# KiCad board ciaa_acc.kicad_pcb (continued)
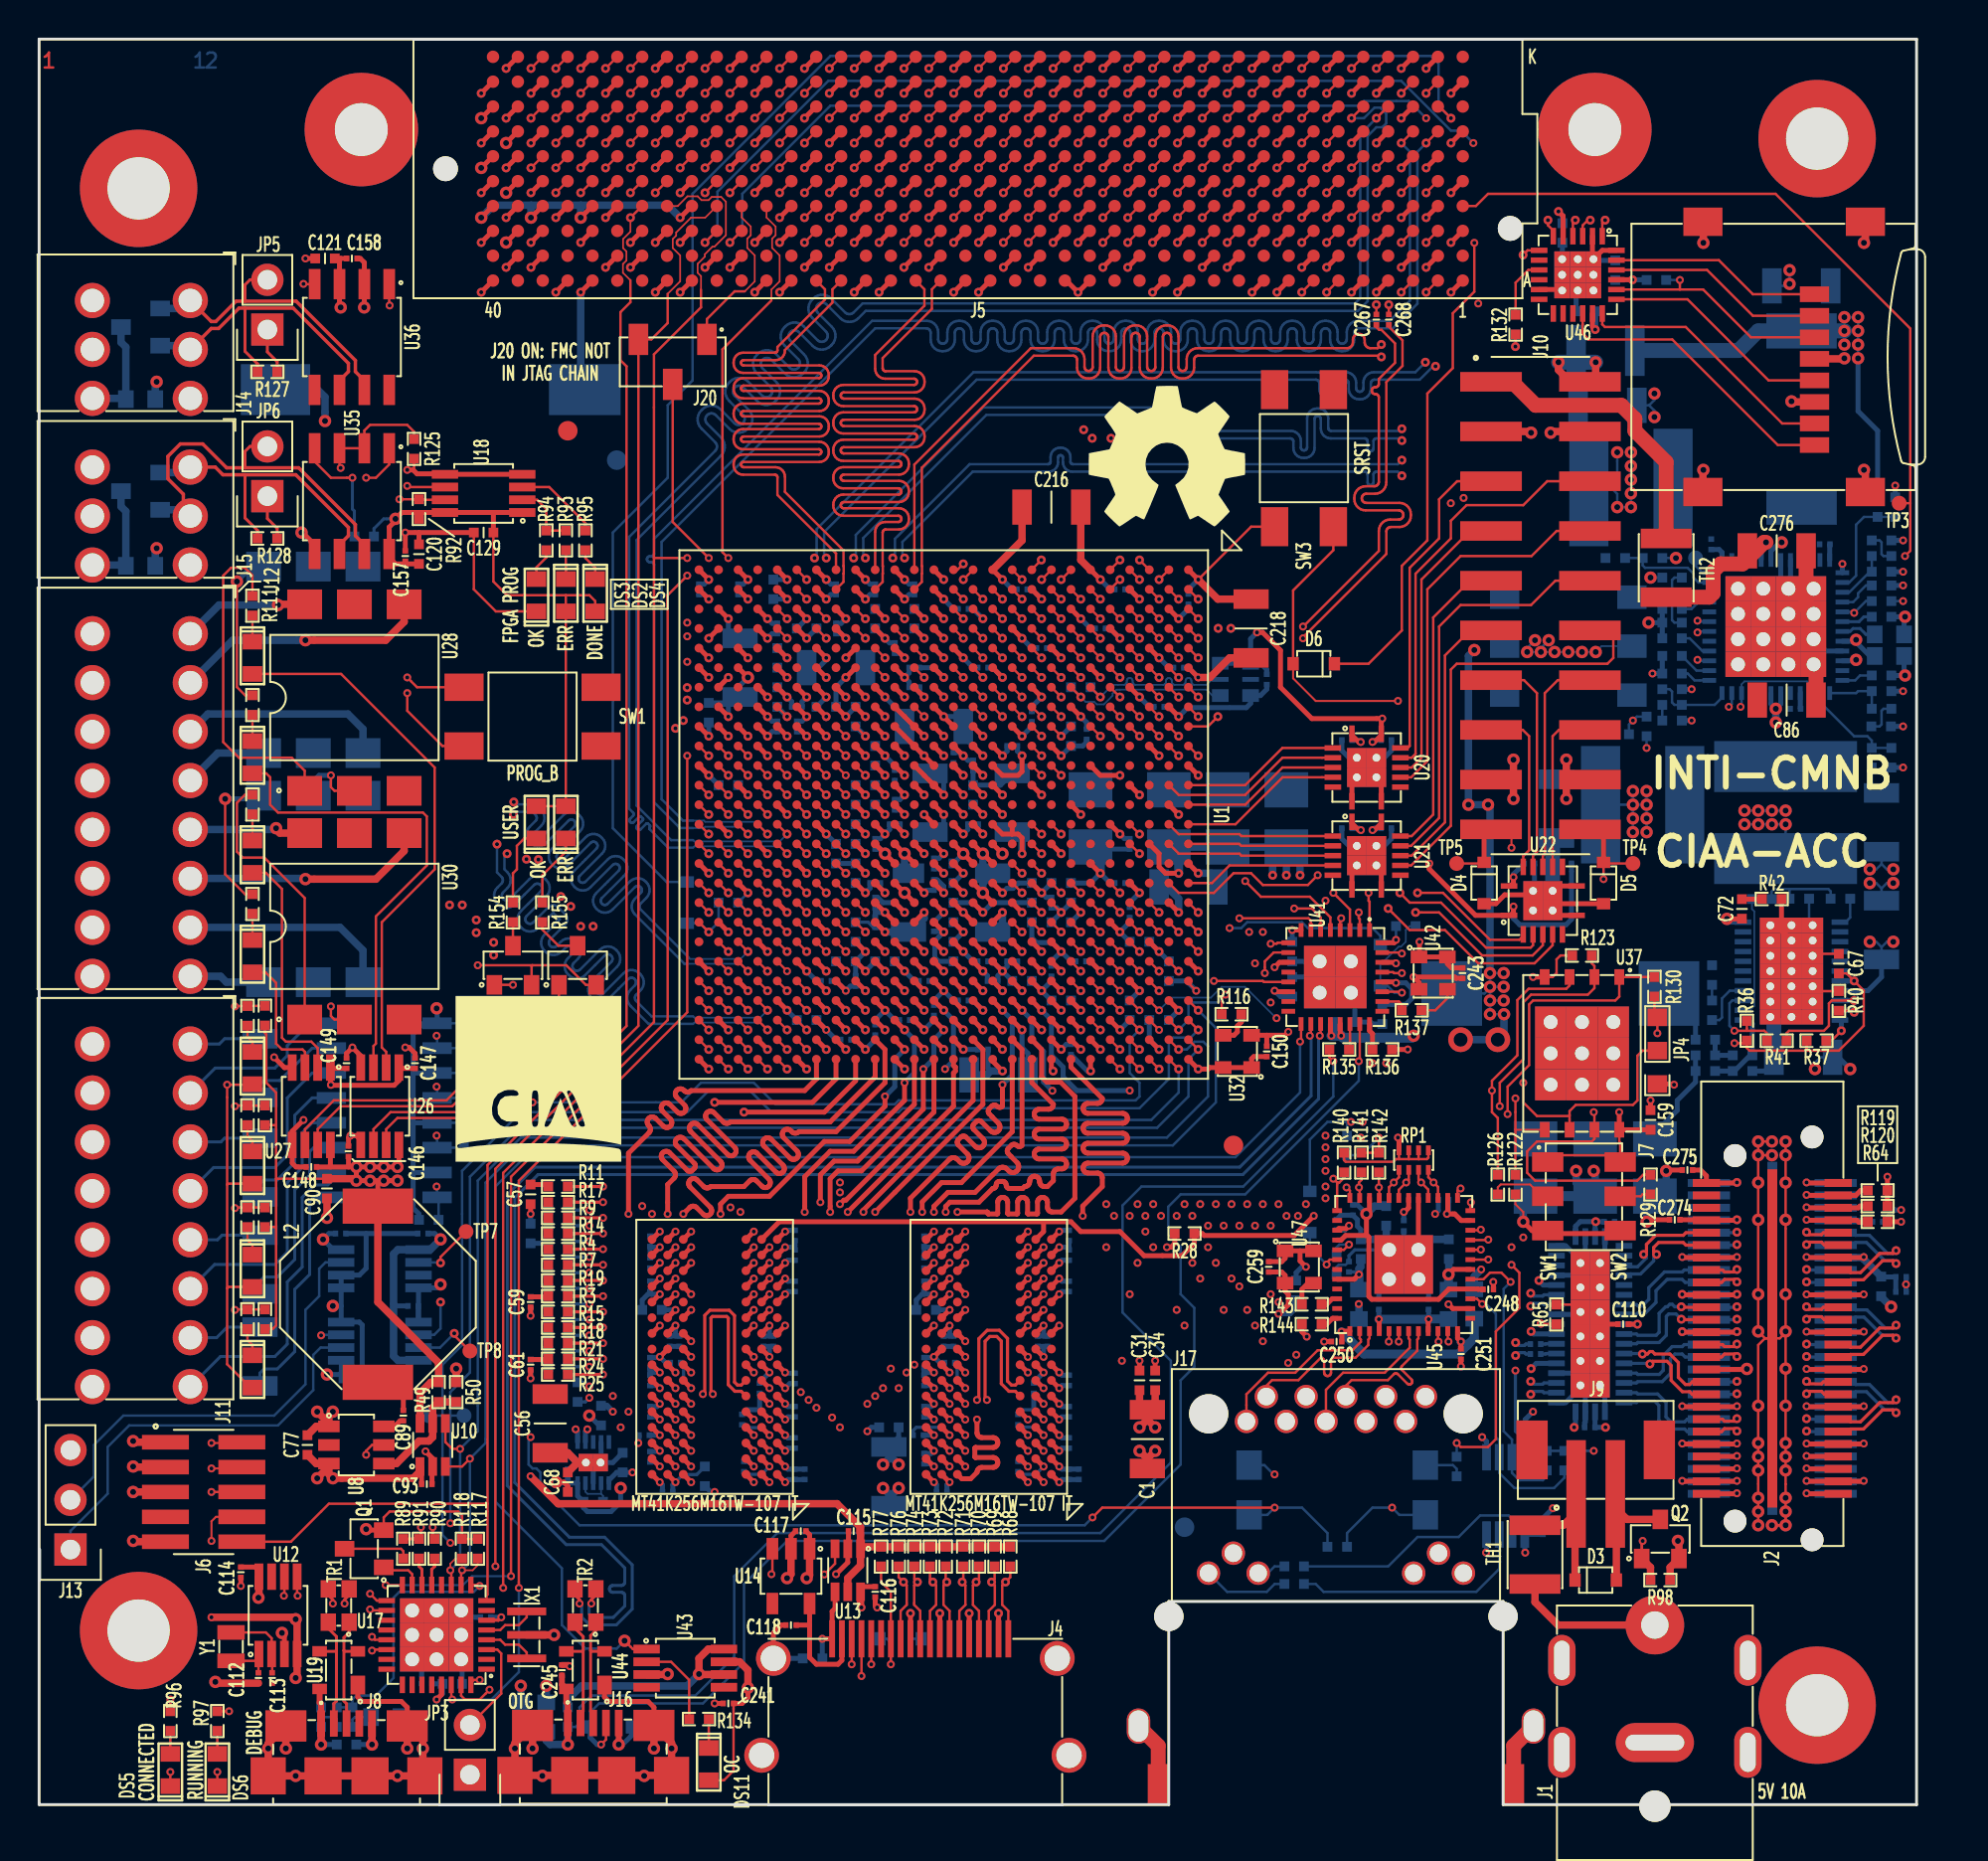
[diagram p0: board, top side]
## Routing (per net, layer and track width the routed paths; a pad name or vN(x,y) marks a point on that pad's centre or on a via; arc(x,y) is an arc through that point) (continued)
/Principal/BANKS_HP/FMC_HA_15_P: length 55.2
  TOP_L1.Sig w0.127: v2(53.06,83.59) 53.65,84.19 J5.F16 ; U1.M8 v2(48.2,55.57)
  L5.Sig w0.089: 53.05,83.59 52.28,82.83 52.28,76.42 52.37,76.34 52.39,76.31 52.4,76.28 52.41,76.25 52.41,76.21 52.4,76.18 52.39,76.14 52.37,76.12 52.02,75.77 51.96,75.7 51.92,75.61 51.9,75.52 51.9,75.43 51.92,75.34 51.96,75.25 52.02,75.18 52.05,75.15 52.13,75.09 52.21,75.05 52.3,75.03 52.39,75.03 52.48,75.05 52.57,75.09 52.64,75.15 53.4,75.9 53.62,75.67 53.43,75.48 53.43,75.48 52.87,74.92 52.81,74.85 52.77,74.76 52.75,74.67 52.75,74.58 52.77,74.49 52.81,74.41 52.87,74.33 52.9,74.3 52.97,74.24 53.06,74.2 53.15,74.18 53.24,74.18 53.33,74.2 53.42,74.24 53.49,74.3 54.24,75.05 54.47,74.82 54.28,74.63 54.27,74.63 53.71,74.07 53.66,74 53.62,73.92 53.6,73.82 53.6,73.73 53.62,73.64 53.66,73.56 53.71,73.49 53.75,73.45 53.82,73.39 53.91,73.35 54,73.33 54.09,73.33 54.18,73.35 54.26,73.39 54.34,73.45 54.68,73.8 54.71,73.82 54.74,73.83 54.78,73.84 54.82,73.84 54.85,73.83 54.88,73.82 54.91,73.8 55.35,73.36 55.36,73.34 55.37,73.32 55.38,73.3 55.38,73.28 55.37,73.26 55.36,73.25 55.35,73.23 55.12,73 55.1,72.98 55.1,72.96 55.09,72.94 55.09,72.92 55.1,72.9 55.1,72.89 55.12,72.87 55.13,72.86 55.15,72.85 55.17,72.84 55.19,72.84 55.21,72.85 55.23,72.86 55.24,72.87 55.48,73.1 55.49,73.12 55.51,73.13 55.53,73.13 55.55,73.13 55.57,73.13 55.59,73.12 55.6,73.1 55.62,73.09 55.62,73.07 55.63,73.05 55.63,73.03 55.62,73.01 55.62,72.99 55.6,72.98 55.37,72.74 55.36,72.73 55.35,72.71 55.34,72.69 55.34,72.67 55.35,72.65 55.36,72.63 55.37,72.62 55.38,72.61 55.4,72.6 55.42,72.59 55.44,72.59 55.46,72.6 55.48,72.61 55.49,72.62 55.73,72.85 55.74,72.87 55.76,72.87 55.78,72.88 55.8,72.88 55.82,72.87 55.84,72.87 55.85,72.85 55.87,72.84 55.88,72.82 55.88,72.8 55.88,72.78 55.88,72.76 55.87,72.74 55.85,72.73 55.62,72.49 55.61,72.48 55.6,72.46 55.59,72.44 55.59,72.42 55.6,72.4 55.61,72.38 55.62,72.37 55.64,72.35 55.65,72.35 55.67,72.34 55.69,72.34 55.71,72.35 55.73,72.35 55.75,72.37 55.98,72.6 56,72.61 56.01,72.62 56.03,72.63 56.05,72.63 56.07,72.62 56.09,72.61 56.11,72.6 61.43,67.28 61.43,58.63 59.99,57.19 48.73,57.19 48.58,57.04 48.58,55.95 v2(48.2,55.57)
/Principal/BANKS_HP/FMC_HA_16_N: length 54.4
  TOP_L1.Sig w0.127: J5.E16 53.65,82.92 v2(53.06,82.32) ; U1.K7 v2(50.2,56.57)
  L5.Sig w0.089: v2(50.2,56.57) 50.58,56.19 59.4,56.19 59.79,56.59 60.49,56.59 62.7,58.79 62.7,67.41 59.71,70.39 59.7,70.4 59.69,70.4 59.68,70.39 59.68,70.39 59.57,70.28 59.52,70.24 59.46,70.21 59.39,70.2 59.33,70.2 59.27,70.21 59.21,70.24 59.16,70.28 58.94,70.49 58.9,70.55 58.88,70.6 58.86,70.67 58.86,70.73 58.88,70.79 58.9,70.85 58.94,70.9 59.68,71.64 59.7,71.67 59.72,71.7 59.73,71.73 59.73,71.77 59.72,71.81 59.7,71.84 59.68,71.87 59.65,71.89 59.62,71.9 59.59,71.91 59.55,71.91 59.52,71.9 59.48,71.89 59.46,71.87 58.72,71.13 58.67,71.09 58.61,71.06 58.55,71.05 58.48,71.05 58.42,71.06 58.36,71.09 58.31,71.13 58.1,71.34 58.06,71.39 58.03,71.45 58.01,71.51 58.01,71.58 58.03,71.64 58.06,71.7 58.1,71.75 58.83,72.49 58.86,72.52 58.87,72.55 58.88,72.58 58.88,72.62 58.87,72.65 58.86,72.69 58.83,72.71 58.81,72.74 58.77,72.75 58.74,72.76 58.7,72.76 58.67,72.75 58.63,72.74 58.61,72.71 57.87,71.98 57.82,71.94 57.76,71.91 57.7,71.89 57.63,71.89 57.57,71.91 57.51,71.94 57.46,71.98 57.25,72.19 57.21,72.24 57.18,72.3 57.16,72.36 57.16,72.43 57.18,72.49 57.21,72.55 57.25,72.6 57.98,73.34 58.01,73.36 58.02,73.4 58.03,73.43 58.03,73.47 58.02,73.5 58.01,73.54 57.98,73.56 57.96,73.59 57.92,73.6 57.89,73.61 57.85,73.61 57.82,73.6 57.79,73.59 57.76,73.56 57.02,72.83 56.97,72.78 56.91,72.76 56.85,72.74 56.78,72.74 56.72,72.76 56.66,72.78 56.61,72.83 56.4,73.04 56.36,73.09 56.33,73.15 56.32,73.21 56.32,73.28 56.33,73.34 56.36,73.4 56.4,73.45 57.14,74.18 57.16,74.21 57.17,74.25 57.18,74.28 57.18,74.32 57.17,74.35 57.16,74.38 57.14,74.41 57.11,74.43 57.08,74.45 57.04,74.46 57.01,74.46 56.97,74.45 56.94,74.43 56.91,74.41 56.4,73.9 56.39,73.91 56.17,73.68 56.11,73.64 56.06,73.61 55.99,73.6 55.93,73.6 55.87,73.61 55.81,73.64 55.76,73.68 55.54,73.9 55.5,73.95 55.48,74 55.46,74.07 55.46,74.13 55.48,74.19 55.5,74.25 55.54,74.3 55.65,74.41 55.66,74.42 55.66,74.43 55.66,74.45 55.65,74.45 53.55,76.55 53.55,77.62 53.55,77.67 53.53,77.71 53.51,77.75 53.48,77.78 53.44,77.81 53.4,77.82 53.35,77.83 53.33,77.83 53.28,77.83 53.24,77.84 53.2,77.87 53.17,77.9 53.15,77.94 53.13,77.98 53.13,78.03 53.13,78.07 53.15,78.11 53.17,78.15 53.2,78.18 53.24,78.21 53.28,78.22 53.33,78.22 53.35,78.22 53.4,78.23 53.44,78.24 53.48,78.27 53.51,78.3 53.53,78.34 53.55,78.38 53.55,78.43 53.55,81.83 v2(53.06,82.32)
/Principal/BANKS_HP/FMC_HA_16_P: length 54.4
  TOP_L1.Sig w0.127: J5.E15 54.92,82.92 v2(54.33,82.32) ; U1.K8 v2(50.2,55.57)
  L5.Sig w0.089: v2(50.2,55.57) 50.58,55.95 59.5,55.95 59.9,56.35 59.99,56.35 60.02,56.31 60.61,56.31 62.98,58.68 62.98,67.52 59.9,70.6 59.85,70.64 59.79,70.67 59.73,70.68 59.66,70.68 59.6,70.67 59.54,70.64 59.49,70.6 59.38,70.49 59.37,70.48 59.36,70.48 59.35,70.49 59.34,70.49 59.15,70.68 59.15,70.69 59.15,70.7 59.15,70.71 59.15,70.72 59.9,71.46 59.96,71.53 60,71.62 60.02,71.71 60.02,71.8 60,71.89 59.96,71.97 59.9,72.05 59.86,72.08 59.79,72.14 59.71,72.18 59.62,72.2 59.52,72.2 59.43,72.18 59.35,72.14 59.28,72.08 58.53,71.34 58.52,71.33 58.51,71.33 58.5,71.33 58.5,71.34 58.31,71.53 58.3,71.54 58.3,71.55 58.3,71.56 58.31,71.56 59.05,72.31 59.11,72.38 59.15,72.46 59.17,72.55 59.17,72.65 59.15,72.74 59.11,72.82 59.05,72.89 59.01,72.93 58.94,72.99 58.86,73.03 58.77,73.05 58.67,73.05 58.58,73.03 58.5,72.99 58.43,72.93 57.68,72.19 57.67,72.18 57.66,72.18 57.65,72.18 57.65,72.19 57.46,72.38 57.45,72.39 57.45,72.4 57.45,72.41 57.46,72.41 58.2,73.16 58.26,73.23 58.3,73.31 58.32,73.4 58.32,73.5 58.3,73.59 58.26,73.67 58.2,73.74 58.16,73.78 58.09,73.84 58.01,73.88 57.92,73.9 57.83,73.9 57.73,73.88 57.65,73.84 57.58,73.78 56.84,73.04 56.83,73.03 56.81,73.03 56.8,73.03 56.8,73.04 56.61,73.23 56.6,73.24 56.6,73.25 56.6,73.26 56.61,73.26 57.35,74.01 57.41,74.08 57.45,74.16 57.47,74.25 57.47,74.34 57.45,74.44 57.41,74.52 57.35,74.59 57.32,74.63 57.24,74.69 57.16,74.73 57.07,74.75 56.98,74.75 56.89,74.73 56.8,74.69 56.73,74.63 56.2,74.1 56.2,74.11 55.98,73.89 55.97,73.88 55.96,73.88 55.95,73.89 55.94,73.89 55.75,74.08 55.75,74.09 55.75,74.1 55.75,74.11 55.75,74.12 55.86,74.23 55.9,74.28 55.93,74.34 55.95,74.4 55.95,74.46 55.93,74.53 55.9,74.58 55.86,74.64 53.83,76.67 53.83,81.83 v2(54.33,82.32)
/Principal/BANKS_HP/FMC_HA_17_N: length 54.4
  TOP_L1.Sig w0.127: U1.L4 v2(49.2,59.57) ; v2(51.79,88.67) 52.38,89.27 J5.K17
  L3.Sig w0.089: v2(51.79,88.67) 52.28,88.18 52.28,76.42 52.56,76.14 52.59,76.11 52.6,76.08 52.61,76.04 52.61,76 52.6,75.96 52.59,75.93 52.56,75.9 52.56,75.89 52.54,75.86 52.52,75.83 52.51,75.79 52.51,75.75 52.52,75.71 52.54,75.68 52.56,75.65 52.59,75.62 52.63,75.6 52.66,75.6 52.7,75.6 52.74,75.6 52.78,75.62 52.81,75.65 52.81,75.65 52.84,75.67 52.88,75.69 52.91,75.7 52.95,75.7 52.99,75.69 53.03,75.67 53.06,75.65 53.19,75.52 53.2,75.5 53.21,75.48 53.22,75.45 53.22,75.42 53.21,75.39 53.2,75.37 53.19,75.35 53.07,75.23 53.02,75.16 52.98,75.09 52.96,75 52.96,74.92 52.98,74.84 53.02,74.76 53.07,74.69 53.12,74.64 53.18,74.59 53.26,74.55 53.34,74.54 53.43,74.54 53.51,74.55 53.59,74.59 53.66,74.64 53.96,74.95 53.97,74.94 54.18,75.15 54.19,75.16 54.2,75.16 54.21,75.16 54.22,75.15 54.37,75 54.38,74.99 54.38,74.98 54.38,74.97 54.37,74.96 53.86,74.45 53.8,74.38 53.77,74.3 53.75,74.22 53.75,74.13 53.77,74.05 53.8,73.97 53.86,73.91 53.9,73.86 53.97,73.81 54.05,73.77 54.13,73.75 54.22,73.75 54.3,73.77 54.38,73.81 54.44,73.86 54.96,74.38 54.97,74.38 54.98,74.38 54.99,74.38 54.99,74.38 55.15,74.22 55.16,74.21 55.16,74.2 55.15,74.19 55.15,74.18 54.5,73.53 54.44,73.47 54.41,73.39 54.39,73.3 54.39,73.21 54.41,73.13 54.44,73.05 54.5,72.98 54.53,72.95 54.6,72.89 54.68,72.85 54.77,72.84 54.85,72.84 54.94,72.85 55.02,72.89 55.09,72.95 55.74,73.6 55.75,73.6 55.76,73.61 55.77,73.6 55.77,73.6 55.93,73.44 55.93,73.43 55.93,73.42 55.93,73.41 55.93,73.41 55.38,72.86 55.33,72.79 55.29,72.71 55.27,72.63 55.27,72.54 55.29,72.46 55.33,72.38 55.38,72.31 55.42,72.28 55.48,72.22 55.56,72.18 55.65,72.16 55.74,72.16 55.82,72.18 55.9,72.22 55.97,72.28 56.51,72.82 56.52,72.83 56.53,72.83 56.54,72.82 56.55,72.82 56.71,72.66 56.71,72.65 56.71,72.64 56.71,72.63 56.71,72.63 56.59,72.52 56.55,72.47 56.53,72.41 56.51,72.35 56.51,72.28 56.53,72.22 56.55,72.16 56.59,72.11 59.4,69.31 59.4,63.34 60.4,62.34 60.4,60.26 v2(60.22,60.08)
  L8.Sig w0.089: v2(60.22,60.08) 60.42,59.88 60.42,59.46 60.15,59.19 49.58,59.19 v2(49.2,59.57)
  L10.Sig w0.089: v2(60.22,60.08) 60.22,60.05
/Principal/BANKS_HP/FMC_HA_17_P: length 54.4
  TOP_L1.Sig w0.127: J5.K16 53.65,89.27 v2(53.06,88.67) ; U1.L5 v2(49.2,58.57)
  L3.Sig w0.089: v2(53.06,88.67) 52.56,88.18 52.56,76.54 53.4,75.7 53.45,75.64 53.49,75.56 53.51,75.48 53.51,75.39 53.49,75.31 53.45,75.23 53.4,75.17 53.28,75.05 53.27,75.03 53.25,75 53.25,74.98 53.25,74.95 53.25,74.92 53.27,74.9 53.28,74.87 53.3,74.86 53.32,74.84 53.35,74.83 53.37,74.82 53.4,74.82 53.43,74.83 53.45,74.84 53.48,74.86 53.76,75.14 53.77,75.14 54,75.36 54.05,75.4 54.1,75.43 54.17,75.45 54.23,75.45 54.29,75.43 54.35,75.4 54.4,75.36 54.58,75.18 54.62,75.13 54.65,75.07 54.66,75.01 54.66,74.95 54.65,74.89 54.62,74.83 54.58,74.78 54.07,74.26 54.05,74.24 54.04,74.22 54.03,74.19 54.03,74.16 54.04,74.14 54.05,74.11 54.07,74.09 54.08,74.07 54.11,74.06 54.13,74.04 54.16,74.04 54.19,74.04 54.21,74.04 54.24,74.06 54.26,74.07 54.77,74.59 54.82,74.63 54.88,74.65 54.94,74.67 55.01,74.67 55.07,74.65 55.13,74.63 55.18,74.59 55.36,74.4 55.4,74.35 55.43,74.3 55.44,74.23 55.44,74.17 55.43,74.11 55.4,74.05 55.36,74 54.71,73.35 54.69,73.33 54.68,73.3 54.67,73.27 54.67,73.24 54.68,73.21 54.69,73.19 54.71,73.16 54.74,73.14 54.76,73.13 54.79,73.12 54.82,73.12 54.85,73.13 54.88,73.14 54.9,73.16 55.55,73.81 55.6,73.85 55.66,73.88 55.72,73.89 55.79,73.89 55.85,73.88 55.91,73.85 55.96,73.81 56.14,73.63 56.18,73.58 56.21,73.52 56.22,73.46 56.22,73.39 56.21,73.33 56.18,73.27 56.14,73.22 55.6,72.68 55.58,72.66 55.57,72.63 55.56,72.6 55.56,72.57 55.57,72.54 55.58,72.51 55.6,72.49 55.62,72.47 55.65,72.46 55.68,72.45 55.71,72.45 55.74,72.46 55.76,72.47 55.79,72.49 56.33,73.03 56.38,73.07 56.44,73.1 56.5,73.11 56.56,73.11 56.63,73.1 56.68,73.07 56.73,73.03 56.92,72.85 56.96,72.8 56.98,72.74 57,72.68 57,72.61 56.98,72.55 56.96,72.49 56.92,72.44 56.8,72.33 56.8,72.32 56.8,72.31 56.8,72.3 56.8,72.3 59.67,69.43 59.67,63.46 60.68,62.45 60.68,60.26 v2(60.87,60.08)
  L8.Sig w0.089: v2(60.87,60.08) 60.67,59.88 60.67,59.36 60.25,58.95 49.58,58.95 v2(49.2,58.57)
/Principal/BANKS_HP/FMC_HA_18_N: length 54.3
  TOP_L1.Sig w0.127: U1.B4 v2(58.2,59.57) ; v2(49.25,87.4) 49.84,88 J5.J19
  L3.Sig w0.089: v2(49.25,87.4) 49.74,86.91 49.74,77.32 49.75,77.23 49.78,77.15 49.83,77.08 49.89,77.01 49.96,76.97 50.05,76.94 50.13,76.93 51.27,76.93 51.3,76.92 51.33,76.91 51.35,76.9 51.37,76.88 51.39,76.85 51.4,76.82 51.4,76.79 51.4,76.76 51.39,76.73 51.37,76.71 51.35,76.69 51.33,76.67 51.3,76.66 51.27,76.66 49.42,76.66 49.34,76.65 49.25,76.62 49.18,76.57 49.12,76.51 49.07,76.44 49.04,76.35 49.03,76.27 49.03,76.22 49.04,76.13 49.07,76.05 49.12,75.98 49.18,75.91 49.25,75.87 49.34,75.84 49.42,75.83 50.32,75.83 50.35,75.82 50.38,75.81 50.4,75.8 50.42,75.78 50.44,75.75 50.45,75.72 50.45,75.69 50.45,75.66 50.44,75.63 50.42,75.61 50.4,75.59 50.38,75.57 50.35,75.56 50.32,75.56 50.13,75.56 50.05,75.55 49.96,75.52 49.89,75.47 49.83,75.41 49.78,75.34 49.75,75.25 49.74,75.17 49.74,75.03 50,74.77 50.02,74.75 50.03,74.73 50.03,74.7 50.03,74.68 50.03,74.65 50.02,74.63 50,74.61 49.7,74.31 49.69,74.29 49.68,74.27 49.67,74.24 49.67,74.22 49.68,74.19 49.69,74.17 49.7,74.15 49.72,74.13 49.75,74.12 49.77,74.12 49.8,74.12 49.82,74.12 49.84,74.13 49.86,74.15 50.16,74.45 50.18,74.46 50.2,74.47 50.23,74.48 50.26,74.48 50.28,74.47 50.3,74.46 50.32,74.45 50.34,74.42 50.35,74.4 50.36,74.37 50.36,74.34 50.35,74.31 50.34,74.28 50.32,74.26 50.16,74.09 50.1,74.02 50.07,73.94 50.05,73.86 50.05,73.77 50.07,73.69 50.1,73.61 50.16,73.54 50.19,73.5 50.26,73.45 50.34,73.41 50.42,73.39 50.51,73.39 50.6,73.41 50.68,73.45 50.74,73.5 52.08,74.84 52.11,74.86 52.13,74.88 52.16,74.88 52.19,74.88 52.22,74.88 52.25,74.86 52.27,74.84 52.29,74.82 52.31,74.79 52.31,74.76 52.31,74.73 52.31,74.7 52.29,74.68 52.27,74.65 50.94,73.31 50.88,73.24 50.84,73.17 50.82,73.08 50.82,72.99 50.84,72.91 50.88,72.83 50.94,72.76 50.97,72.73 51.04,72.67 51.12,72.63 51.2,72.61 51.29,72.61 51.37,72.63 51.45,72.67 51.52,72.73 52.86,74.07 52.88,74.08 52.91,74.1 52.94,74.1 52.97,74.1 53,74.1 53.03,74.08 53.05,74.07 53.07,74.04 53.08,74.01 53.09,73.98 53.09,73.95 53.08,73.93 53.07,73.9 53.05,73.87 51.71,72.54 51.66,72.47 51.62,72.39 51.6,72.3 51.6,72.22 51.62,72.13 51.66,72.05 51.71,71.98 51.75,71.95 51.82,71.89 51.89,71.86 51.98,71.84 52.07,71.84 52.15,71.86 52.23,71.89 52.3,71.95 53.64,73.29 53.66,73.31 53.69,73.32 53.72,73.33 53.75,73.33 53.78,73.32 53.81,73.31 53.83,73.29 53.85,73.26 53.86,73.24 53.87,73.21 53.87,73.18 53.86,73.15 53.85,73.12 53.83,73.1 53.03,72.29 52.97,72.23 52.94,72.15 52.92,72.06 52.92,71.97 52.94,71.89 52.97,71.81 53.03,71.74 53.13,71.64 55.92,71.64 58.56,69 58.56,63.15 58.58,63.13 58.58,59.95 v2(58.2,59.57)
/Principal/BANKS_HP/FMC_HA_18_P: length 54.3
  TOP_L1.Sig w0.127: J5.J18 51.11,88 v2(50.52,87.4) ; U1.B5 v2(58.2,58.57)
  L3.Sig w0.089: v2(50.52,87.4) 50.02,86.91 50.02,77.34 50.03,77.31 50.04,77.28 50.05,77.26 50.07,77.24 50.1,77.22 50.13,77.21 50.16,77.21 51.29,77.21 51.38,77.2 51.46,77.17 51.54,77.12 51.6,77.06 51.64,76.99 51.67,76.9 51.68,76.82 51.68,76.77 51.67,76.68 51.64,76.6 51.6,76.53 51.54,76.46 51.46,76.42 51.38,76.39 51.29,76.38 49.45,76.38 49.42,76.37 49.39,76.36 49.36,76.35 49.34,76.33 49.33,76.3 49.32,76.27 49.31,76.24 49.32,76.21 49.33,76.18 49.34,76.16 49.36,76.14 49.39,76.12 49.42,76.11 49.45,76.11 50.34,76.11 50.43,76.1 50.51,76.07 50.59,76.02 50.65,75.96 50.69,75.89 50.72,75.8 50.73,75.72 50.73,75.67 50.72,75.58 50.69,75.5 50.65,75.43 50.59,75.36 50.51,75.32 50.43,75.29 50.34,75.28 50.16,75.28 50.13,75.27 50.1,75.26 50.07,75.25 50.05,75.23 50.04,75.2 50.03,75.17 50.02,75.14 50.54,74.63 50.59,74.56 50.63,74.48 50.65,74.4 50.65,74.31 50.63,74.22 50.59,74.14 50.54,74.08 50.37,73.91 50.35,73.89 50.34,73.86 50.33,73.83 50.33,73.8 50.34,73.77 50.35,73.74 50.37,73.72 50.4,73.7 50.42,73.69 50.45,73.68 50.48,73.68 50.51,73.69 50.54,73.7 50.56,73.72 51.9,75.06 51.97,75.11 52.05,75.15 52.13,75.17 52.22,75.17 52.31,75.15 52.39,75.11 52.46,75.06 52.49,75.02 52.54,74.96 52.58,74.88 52.6,74.79 52.6,74.7 52.58,74.62 52.54,74.54 52.49,74.47 51.15,73.13 51.13,73.11 51.12,73.08 51.11,73.05 51.11,73.02 51.12,72.99 51.13,72.96 51.15,72.94 51.17,72.92 51.2,72.91 51.23,72.9 51.26,72.9 51.29,72.91 51.32,72.92 51.34,72.94 52.68,74.28 52.75,74.33 52.83,74.37 52.91,74.39 53,74.39 53.09,74.37 53.16,74.33 53.23,74.28 53.27,74.25 53.32,74.18 53.36,74.1 53.38,74.01 53.38,73.93 53.36,73.84 53.32,73.76 53.27,73.69 51.93,72.35 51.91,72.33 51.9,72.3 51.89,72.27 51.89,72.24 51.9,72.21 51.91,72.19 51.93,72.16 51.95,72.14 51.98,72.13 52.01,72.12 52.04,72.12 52.07,72.13 52.1,72.14 52.12,72.16 53.46,73.5 53.53,73.56 53.61,73.59 53.69,73.61 53.78,73.61 53.86,73.59 53.94,73.56 54.01,73.5 54.04,73.47 54.1,73.4 54.14,73.32 54.16,73.24 54.16,73.15 54.14,73.06 54.1,72.98 54.04,72.92 53.24,72.11 53.22,72.09 53.21,72.06 53.2,72.03 53.2,72 53.21,71.97 53.22,71.95 53.24,71.92 56.04,71.92 58.84,69.12 58.84,63.15 58.83,63.13 58.83,59.2 v2(58.2,58.57)
/Principal/BANKS_HP/FMC_HA_19_N: length 54.4
  TOP_L1.Sig w0.127: U1.A3 v2(59.2,60.57) ; J5.F20 48.57,84.19 v2(47.98,83.59)
  L5.Sig w0.089: v2(59.2,60.57) U1.A3 57.9,61.07 57.83,61.14 57.83,63.66 57.84,63.67 57.84,65.33 57.4,65.77 57.38,65.8 57.36,65.83 57.35,65.86 57.35,65.9 57.36,65.93 57.38,65.97 57.4,65.99 58.26,66.86 58.32,66.93 58.36,67.01 58.38,67.1 58.38,67.19 58.36,67.29 58.32,67.37 58.26,67.44 58.23,67.48 58.15,67.53 58.07,67.58 57.98,67.6 57.89,67.6 57.8,67.58 57.71,67.53 57.64,67.48 56.78,66.62 56.75,66.59 56.72,66.58 56.68,66.57 56.65,66.57 56.61,66.58 56.58,66.59 56.55,66.62 55.99,67.18 55.99,67.77 56,67.81 56.01,67.84 56.03,67.87 56.05,67.9 56.08,67.91 56.12,67.93 56.15,67.93 57.32,67.93 57.41,67.94 57.5,67.97 57.58,68.02 57.64,68.09 57.69,68.16 57.72,68.25 57.73,68.34 57.73,68.4 57.72,68.49 57.69,68.58 57.64,68.65 57.58,68.72 57.5,68.77 57.41,68.8 57.32,68.81 54.41,68.81 54.38,68.81 54.34,68.83 54.31,68.84 54.29,68.87 54.27,68.9 54.26,68.93 54.25,68.97 54.26,69.01 54.27,69.04 54.29,69.07 54.31,69.1 54.34,69.11 54.38,69.13 54.41,69.13 56.52,69.13 56.61,69.14 56.7,69.17 56.78,69.22 56.84,69.29 56.89,69.36 56.92,69.45 56.93,69.54 56.93,69.6 56.92,69.69 56.89,69.78 56.84,69.85 56.78,69.92 56.7,69.97 56.61,70 56.52,70.01 56.15,70.01 56.12,70.01 56.08,70.03 56.05,70.04 56.03,70.07 56.01,70.1 56,70.13 55.99,70.17 55.99,70.57 55.58,70.98 52.15,70.98 51.61,71.52 51.59,71.55 51.58,71.58 51.57,71.61 51.57,71.64 51.58,71.68 51.59,71.71 51.61,71.73 51.89,72.01 51.94,72.08 51.98,72.16 52,72.25 52,72.34 51.98,72.42 51.94,72.51 51.89,72.58 51.85,72.61 51.78,72.67 51.7,72.71 51.61,72.73 51.52,72.73 51.43,72.71 51.35,72.67 51.28,72.61 51.01,72.34 50.98,72.32 50.95,72.3 50.92,72.3 50.88,72.3 50.85,72.3 50.82,72.32 50.8,72.34 50.77,72.36 50.76,72.39 50.75,72.43 50.75,72.46 50.76,72.49 50.77,72.52 50.8,72.55 51.07,72.82 51.13,72.89 51.16,72.97 51.18,73.06 51.18,73.15 51.16,73.24 51.13,73.32 51.07,73.39 51.03,73.43 50.96,73.48 50.88,73.52 50.79,73.54 50.7,73.54 50.61,73.52 50.53,73.48 50.46,73.43 50.19,73.16 50.16,73.13 50.13,73.12 50.1,73.11 50.07,73.11 50.03,73.12 50,73.13 49.98,73.16 49.96,73.18 49.94,73.21 49.94,73.24 49.94,73.28 49.94,73.31 49.96,73.34 49.98,73.37 50.25,73.64 50.31,73.71 50.35,73.79 50.37,73.88 50.37,73.97 50.35,74.06 50.31,74.14 50.25,74.21 50.22,74.25 50.15,74.3 50.06,74.34 49.98,74.36 49.89,74.36 49.8,74.34 49.72,74.3 49.65,74.25 48.74,73.34 48.72,73.32 48.69,73.31 48.65,73.3 48.62,73.3 48.59,73.31 48.56,73.32 48.53,73.34 48.51,73.37 48.5,73.4 48.49,73.43 48.49,73.47 48.5,73.5 48.51,73.53 48.53,73.55 48.77,73.79 48.83,73.86 48.87,73.94 48.89,74.03 48.89,74.12 48.87,74.21 48.83,74.29 48.77,74.36 48.75,74.38 48.75,75.6 48.74,75.69 48.71,75.78 48.66,75.85 48.6,75.92 48.52,75.97 48.43,76 48.34,76.01 46.97,76.01 46.94,76.01 46.9,76.03 46.87,76.04 46.85,76.07 46.83,76.1 46.82,76.13 46.81,76.17 46.82,76.21 46.83,76.24 46.85,76.27 46.87,76.3 46.9,76.31 46.94,76.33 46.97,76.33 48.34,76.33 48.43,76.34 48.52,76.37 48.6,76.42 48.66,76.49 48.71,76.56 48.74,76.65 48.75,76.74 48.75,82.59 49.25,83.09 49.5,83.09 49.76,83.34 49.76,83.85 49.5,84.1 48.99,84.1 48.49,83.59 v2(47.98,83.59)
/Principal/BANKS_HP/FMC_HA_19_P: length 54.4
  TOP_L1.Sig w0.127: J5.F19 49.84,84.19 v2(49.25,83.59) ; U1.A4 v2(59.2,59.57)
  L5.Sig w0.089: v2(49.25,83.59) 48.47,82.82 48.47,76.77 48.47,76.73 48.46,76.7 48.44,76.67 48.41,76.64 48.38,76.63 48.35,76.61 48.31,76.61 46.95,76.61 46.86,76.6 46.77,76.57 46.69,76.52 46.62,76.45 46.57,76.38 46.54,76.29 46.53,76.2 46.53,76.14 46.54,76.05 46.57,75.96 46.62,75.89 46.69,75.82 46.77,75.77 46.86,75.74 46.95,75.73 48.31,75.73 48.35,75.73 48.38,75.71 48.41,75.7 48.44,75.67 48.46,75.64 48.47,75.61 48.47,75.57 48.47,74.27 48.56,74.18 48.58,74.16 48.59,74.13 48.6,74.09 48.6,74.06 48.59,74.03 48.58,74 48.56,73.97 48.32,73.73 48.26,73.66 48.22,73.58 48.2,73.49 48.2,73.4 48.22,73.32 48.26,73.23 48.32,73.16 48.35,73.13 48.42,73.07 48.5,73.03 48.59,73.01 48.68,73.01 48.77,73.03 48.85,73.07 48.92,73.13 49.83,74.03 49.85,74.05 49.88,74.07 49.91,74.07 49.95,74.07 49.98,74.07 50.01,74.05 50.04,74.03 50.06,74 50.07,73.97 50.08,73.94 50.08,73.91 50.07,73.88 50.06,73.85 50.04,73.82 49.76,73.55 49.71,73.48 49.67,73.39 49.65,73.31 49.65,73.22 49.67,73.13 49.71,73.05 49.76,72.98 49.8,72.94 49.87,72.88 49.95,72.84 50.04,72.82 50.13,72.82 50.22,72.84 50.3,72.88 50.37,72.94 50.64,73.21 50.67,73.23 50.7,73.25 50.73,73.26 50.77,73.26 50.8,73.25 50.83,73.23 50.85,73.21 50.87,73.19 50.89,73.16 50.9,73.12 50.9,73.09 50.89,73.06 50.87,73.03 50.85,73 50.58,72.73 50.52,72.66 50.48,72.58 50.46,72.49 50.46,72.4 50.48,72.31 50.52,72.23 50.58,72.16 50.62,72.12 50.69,72.07 50.77,72.03 50.86,72.01 50.95,72.01 51.03,72.03 51.12,72.07 51.19,72.12 51.46,72.4 51.49,72.42 51.52,72.43 51.55,72.44 51.58,72.44 51.61,72.43 51.64,72.42 51.67,72.4 51.69,72.37 51.71,72.34 51.71,72.31 51.71,72.27 51.71,72.24 51.69,72.21 51.67,72.19 51.4,71.91 51.34,71.84 51.3,71.76 51.28,71.67 51.28,71.58 51.3,71.49 51.34,71.41 51.4,71.34 52.04,70.7 55.47,70.7 55.71,70.46 55.71,70.14 55.72,70.05 55.75,69.96 55.8,69.89 55.87,69.82 55.95,69.77 56.03,69.74 56.13,69.73 56.49,69.73 56.53,69.73 56.56,69.71 56.59,69.7 56.62,69.67 56.64,69.64 56.65,69.61 56.65,69.57 56.65,69.53 56.64,69.5 56.62,69.47 56.59,69.44 56.56,69.43 56.53,69.41 56.49,69.41 54.39,69.41 54.29,69.4 54.21,69.37 54.13,69.32 54.06,69.25 54.01,69.18 53.98,69.09 53.97,69 53.97,68.94 53.98,68.85 54.01,68.76 54.06,68.69 54.13,68.62 54.21,68.57 54.29,68.54 54.39,68.53 57.29,68.53 57.33,68.53 57.36,68.51 57.39,68.5 57.42,68.47 57.44,68.44 57.45,68.41 57.45,68.37 57.45,68.33 57.44,68.3 57.42,68.27 57.39,68.24 57.36,68.23 57.33,68.21 57.29,68.21 56.13,68.21 56.03,68.2 55.95,68.17 55.87,68.12 55.8,68.05 55.75,67.98 55.72,67.89 55.71,67.8 55.71,67.06 56.37,66.4 56.44,66.34 56.53,66.3 56.62,66.28 56.71,66.28 56.8,66.3 56.89,66.34 56.96,66.4 57.82,67.26 57.85,67.28 57.88,67.3 57.91,67.31 57.95,67.31 57.99,67.3 58.02,67.28 58.05,67.26 58.07,67.23 58.08,67.2 58.09,67.17 58.09,67.13 58.08,67.1 58.07,67.06 58.05,67.03 57.18,66.17 57.13,66.1 57.09,66.02 57.07,65.93 57.07,65.83 57.09,65.74 57.13,65.66 57.18,65.59 57.56,65.21 57.56,65.07 57.56,65.05 57.55,65.03 57.54,65.01 57.53,65 57.51,64.99 57.49,64.98 57.47,64.98 57.19,64.98 57.17,64.98 57.15,64.97 57.13,64.96 57.12,64.95 57.11,64.93 57.1,64.91 57.1,64.89 57.1,64.87 57.11,64.85 57.12,64.84 57.13,64.82 57.15,64.81 57.17,64.81 57.19,64.8 57.47,64.8 57.49,64.8 57.51,64.79 57.53,64.78 57.54,64.77 57.55,64.75 57.56,64.73 57.56,64.71 57.56,64.69 57.55,64.68 57.54,64.66 57.53,64.64 57.51,64.63 57.49,64.63 57.47,64.63 57.19,64.63 57.17,64.62 57.15,64.62 57.13,64.61 57.12,64.59 57.11,64.58 57.1,64.56 57.1,64.54 57.1,64.52 57.11,64.5 57.12,64.48 57.13,64.47 57.15,64.46 57.17,64.45 57.19,64.45 57.47,64.45 57.49,64.45 57.51,64.44 57.53,64.43 57.54,64.41 57.55,64.4 57.56,64.38 57.56,64.36 57.56,63.67 57.57,63.66 57.57,60.5 58,60.07 U1.A4 v2(59.2,59.57)
/Principal/BANKS_HP/FMC_HA_20_N: length 54.3
  TOP_L1.Sig w0.127: v2(49.25,82.32) 49.84,82.92 J5.E19 ; U1.A2 v2(59.2,61.57)
  L5.Sig w0.089: v2(49.25,82.32) 49.76,82.32 50.26,82.83 50.77,82.83 51.03,82.58 51.03,82.07 50.77,81.82 50.52,81.82 50.02,81.32 50.02,77.87 50.01,77.78 49.98,77.7 49.94,77.63 49.88,77.56 49.8,77.52 49.72,77.49 49.63,77.48 49.37,77.48 49.34,77.47 49.31,77.46 49.28,77.45 49.26,77.43 49.25,77.4 49.24,77.37 49.23,77.34 49.24,77.31 49.25,77.28 49.26,77.26 49.28,77.24 49.31,77.22 49.34,77.21 49.37,77.21 50.77,77.21 50.86,77.2 50.94,77.17 51.02,77.12 51.08,77.06 51.12,76.99 51.15,76.9 51.16,76.82 51.16,76.77 51.15,76.68 51.12,76.6 51.08,76.53 51.02,76.46 50.94,76.42 50.86,76.39 50.77,76.38 49.37,76.38 49.34,76.37 49.31,76.36 49.28,76.35 49.26,76.33 49.25,76.3 49.24,76.27 49.23,76.24 49.24,76.21 49.25,76.18 49.26,76.16 49.28,76.14 49.31,76.12 49.34,76.11 49.37,76.11 50.77,76.11 50.86,76.1 50.94,76.07 51.02,76.02 51.08,75.96 51.12,75.89 51.15,75.8 51.16,75.72 51.16,75.67 51.15,75.58 51.12,75.5 51.08,75.43 51.02,75.36 50.94,75.32 50.86,75.29 50.77,75.28 50.16,75.28 50.13,75.27 50.1,75.26 50.07,75.25 50.05,75.23 50.04,75.2 50.03,75.17 50.02,75.14 50.59,74.57 50.61,74.56 50.64,74.54 50.67,74.54 50.7,74.54 50.73,74.54 50.76,74.56 50.78,74.57 51.22,75.01 51.28,75.06 51.36,75.1 51.45,75.12 51.54,75.12 51.62,75.1 51.7,75.06 51.77,75.01 51.8,74.97 51.86,74.91 51.9,74.83 51.91,74.74 51.91,74.65 51.9,74.57 51.86,74.49 51.8,74.42 51.37,73.99 51.35,73.96 51.34,73.94 51.33,73.91 51.33,73.88 51.34,73.85 51.35,73.82 51.37,73.8 51.39,73.78 51.42,73.76 51.45,73.76 51.48,73.76 51.51,73.76 51.54,73.78 51.56,73.8 51.99,74.23 52.06,74.29 52.14,74.32 52.23,74.34 52.31,74.34 52.4,74.32 52.48,74.29 52.55,74.23 52.58,74.2 52.64,74.13 52.67,74.05 52.69,73.96 52.69,73.88 52.67,73.79 52.64,73.71 52.58,73.64 52.15,73.21 52.13,73.19 52.11,73.16 52.11,73.13 52.11,73.1 52.11,73.07 52.13,73.04 52.15,73.02 52.17,73 52.2,72.99 52.23,72.98 52.26,72.98 52.29,72.99 52.31,73 52.34,73.02 52.77,73.45 52.84,73.51 52.92,73.55 53,73.56 53.09,73.56 53.18,73.55 53.26,73.51 53.32,73.45 53.36,73.42 53.41,73.35 53.45,73.27 53.47,73.19 53.47,73.1 53.45,73.01 53.41,72.93 53.36,72.87 52.51,72.02 52.5,72.01 52.5,72 52.5,71.99 52.5,71.99 52.5,71.98 52.5,71.97 52.51,71.97 52.65,71.82 52.66,71.82 52.66,71.82 52.67,71.81 52.68,71.81 52.69,71.82 52.69,71.82 52.7,71.82 52.81,71.94 52.86,71.98 52.92,72.01 52.99,72.02 53.05,72.02 53.12,72.01 53.18,71.98 53.23,71.94 53.24,71.92 53.69,71.92 53.73,71.93 53.76,71.94 53.79,71.96 53.82,71.98 53.84,72.01 53.85,72.05 53.85,72.08 53.85,72.65 53.86,72.74 53.89,72.83 53.94,72.91 54.01,72.97 54.09,73.02 54.18,73.05 54.27,73.06 54.32,73.06 54.41,73.05 54.5,73.02 54.58,72.97 54.64,72.91 54.69,72.83 54.72,72.74 54.73,72.65 54.73,72.08 54.74,72.05 54.75,72.01 54.77,71.98 54.79,71.96 54.82,71.94 54.86,71.93 54.89,71.92 56.04,71.92 58.84,69.12 58.84,68.86 58.84,68.83 58.86,68.79 58.87,68.76 58.9,68.74 58.93,68.72 58.96,68.71 59,68.7 59.53,68.7 59.62,68.69 59.71,68.66 59.79,68.61 59.85,68.55 59.9,68.47 59.93,68.38 59.94,68.29 59.94,68.24 59.93,68.14 59.9,68.06 59.85,67.98 59.79,67.91 59.71,67.86 59.62,67.83 59.53,67.82 59,67.82 58.96,67.82 58.93,67.81 58.9,67.79 58.87,67.76 58.86,67.73 58.84,67.7 58.84,67.66 58.84,67.63 58.86,67.59 58.87,67.56 58.9,67.54 58.93,67.52 58.96,67.51 59,67.5 60.48,67.5 60.57,67.49 60.66,67.46 60.74,67.41 60.8,67.35 60.85,67.27 60.88,67.18 60.89,67.09 60.89,67.04 60.88,66.94 60.85,66.86 60.8,66.78 60.74,66.71 60.66,66.66 60.57,66.63 60.48,66.62 59,66.62 58.96,66.62 58.93,66.61 58.9,66.59 58.87,66.56 58.86,66.53 58.84,66.5 58.84,66.46 58.84,66.43 58.86,66.39 58.87,66.36 58.9,66.34 58.93,66.32 58.96,66.31 59,66.3 60.48,66.3 60.57,66.29 60.66,66.26 60.74,66.21 60.8,66.15 60.85,66.07 60.88,65.98 60.89,65.89 60.89,65.84 60.88,65.74 60.85,65.66 60.8,65.58 60.74,65.51 60.66,65.46 60.57,65.43 60.48,65.42 59,65.42 58.96,65.42 58.93,65.41 58.9,65.39 58.87,65.36 58.86,65.33 58.84,65.3 58.84,65.26 58.84,63.15 58.82,63.13 58.82,61.95 v2(59.2,61.57)